# KiCad board SPCInterfaceBoard-v01.kicad_pcb (continued)
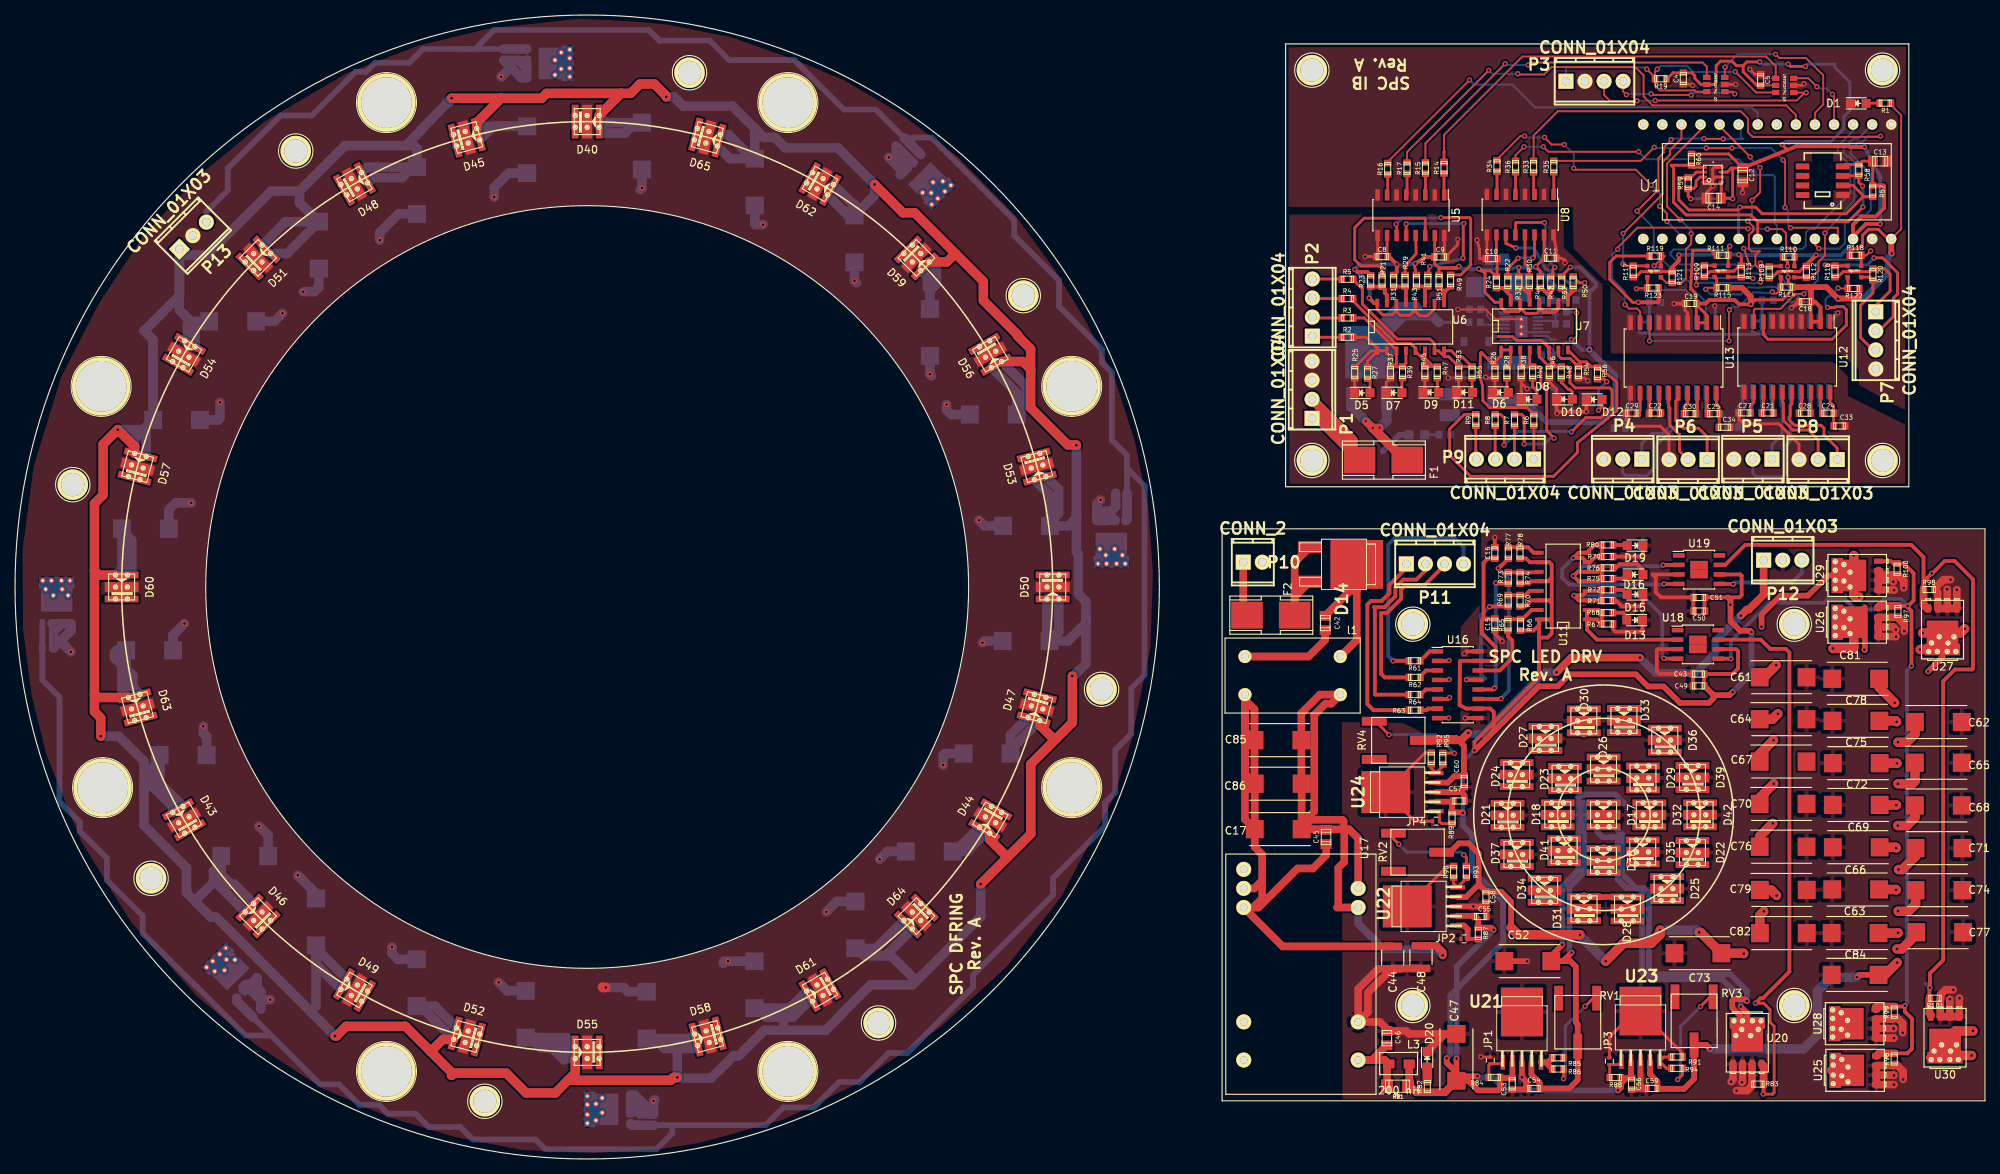
[diagram p0: board, top side]
## Footprints (pads in the part's own frame, mm; a bottom-side part is the same pattern mirrored in y, then rotated)
1pin
  round 4.064 hole 3.048: 1(0,0)
1pin#2
  round 4.064 hole 3.099: 1(0,0)
51105C
  round 1.75 hole 1: 1(-6.35,-2.54) 2(6.35,-2.54) 3(6.35,2.54) 4(-6.35,2.54)
BME280
  rect 0.7x0.35 smd: 1(1.125,0.975) 2(1.125,0.325) 3(1.125,-0.325) 4(1.125,-0.975) 5(-1.125,-0.975) 6(-1.125,-0.325) 7(-1.125,0.325) 8(-1.125,0.975)
BOURNS3361P
  rect 1.194x3.302 smd: 1(-2.54,-3.2) 2(0,3.2) 3(2.54,-3.2)
c_0603
  rect 0.899x1.001 smd: 1(0.752,0) 2(-0.752,0)
c_0805
  rect 1.3x1.499 smd: 1(0.953,0) 2(-0.953,0)
C_1210
  rect 1x2.5 smd: 1(-1.5,0) 2(1.5,0)
c_1210
  rect 1.6x2.692 smd: 1(1.397,0) 2(-1.397,0)
c_2220
  rect 1.849x5.499 smd: 1(2.576,0) 2(-2.576,0)
c_tant_X
  rect 2.55x2.7 smd: 1(3,0)
  rect 2.55x3.8 smd: 2(-3,0)
Cree_XP-L_HI-vias-4
  rect 0.9x4.5 smd: 1(-1.6,0) 2(1.6,0)
  round 0.737 hole 0.381: 1(-1.587,0.826) 1(-1.587,-0.762) 2(1.587,0.826) 2(1.587,-0.762) 3(0,0.826) 3(0,-0.762)
  rect 1.3x4.5 smd: 3(0,0)
d-pak
  rect 1.6x3.2 smd: 1(-2.301,-3.124) 3(2.301,-3.124)
  rect 6.5x7 smd: 2(0,3.124)
d-pak-5
  rect 0.597x1.999 smd: 1(-2.54,-3.099) 2(-1.27,-3.099) 3(0,-3.099) 4(1.27,-3.099) 5(2.54,-3.099)
  rect 5.598x6.5 smd: 6(0,3.599)
Fuse_SMD
  rect 3.556x4.191 smd: 1(0,3.175) 2(0,-3.175)
IHLP-1212BZ-11
  rect 1.5x1.2 smd: 1(-1.35,0) 2(1.35,0)
LED_0805
  rect 1.199x1.199 smd: 1(-1.049,0) 2(1.049,0)
mpt_0,5%2f2-2,54
  rect 1.999x1.999 hole 1.097: 1(1.27,0)
  oval 1.999x1.999 hole 1.097: 2(-1.27,0)
mpt_0,5%2f3-2,54
  rect 1.999x1.999 hole 1.097: 1(2.54,0)
  oval 1.999x1.999 hole 1.097: 2(0,0) 3(-2.54,0)
mpt_0,5%2f4-2,54
  rect 1.999x1.999 hole 1.097: 1(3.81,0)
  oval 1.999x1.999 hole 1.097: 2(1.27,0) 3(-1.27,0) 4(-3.81,0)
MSOP-16-1EP-VIA_3x4mm_Pitch0.5mm
  rect 1.4x0.3 smd: 1(-2.2,1.75) 2(-2.2,1.25) 3(-2.2,0.75) 4(-2.2,0.25) 5(-2.2,-0.25) 6(-2.2,-0.75) 7(-2.2,-1.25) 8(-2.2,-1.75) 9(2.2,-1.75) 10(2.2,-1.25) 11(2.2,-0.75) 12(2.2,-0.25) 13(2.2,0.25) 14(2.2,0.75) 15(2.2,1.25) 16(2.2,1.75)
  round 0.65 hole 0.25: 17(0,-1) 17(0,0) 17(0,1)
  rect 1.65x2.85 smd: 17(0,0)
NCS12
  round 2 hole 1: 1(-13.97,-7.62) 2(-11.43,-7.62) 3(-8.89,-7.62) 9(6.35,-7.62) 11(11.43,-7.62) 14(11.43,7.62) 16(6.35,7.62) 22(-8.89,7.62) 23(-11.43,7.62)
qtr-clearancehole
  round 7.76 hole 6.76: 1(0,0)
R_0402
  rect 0.4x0.6 smd: 1(-0.45,0) 2(0.45,0)
r_0603
  rect 0.899x1.001 smd: 1(0.752,0) 2(-0.752,0)
r_1206
  rect 1.6x1.803 smd: 1(1.397,0) 2(-1.397,0)
SC-74
  rect 0.701x1.001 smd: 1(-0.95,-1.199) 2(0,-1.199) 3(0.95,-1.199) 4(0.95,1.199) 5(0,1.199) 6(-0.95,1.199)
SHT1X
  rect 1.798x0.798 smd: 1(-2.667,1.905) 2(-2.667,0.635) 3(-2.667,-0.635) 4(-2.667,-1.905) 5(2.667,-1.905) 6(2.667,-0.635) 7(2.667,0.635) 8(2.667,1.905)
SO-16-N
  rect 0.508x1.143 smd: 1(-4.445,-3.175) 2(-3.175,-3.175) 3(-1.905,-3.175) 4(-0.635,-3.175) 5(0.635,-3.175) 6(1.905,-3.175) 7(3.175,-3.175) 8(4.445,-3.175) 9(4.445,3.175) 10(3.175,3.175) 11(1.905,3.175) 12(0.635,3.175) 13(-0.635,3.175) 14(-1.905,3.175) 15(-3.175,3.175) 16(-4.445,3.175)
SOD-123FL
  rect 0.914x1.219 smd: 1(-1.638,0) 2(1.638,0)
SOIC-8-1EP_3.9x4.9mm_Pitch1.27mm
  rect 1.55x0.6 smd: 1(-2.7,1.905) 2(-2.7,0.635) 3(-2.7,-0.635) 4(-2.7,-1.905) 5(2.7,-1.905) 6(2.7,-0.635) 7(2.7,0.635) 8(2.7,1.905)
  rect 1.175x1.175 smd: 9(-0.588,0.588) 9(-0.588,-0.588) 9(0.588,0.588) 9(0.588,-0.588)
SOIC-16_3.9x9.9mm_Pitch1.27mm
  rect 1.5x0.6 smd: 1(-2.7,4.445) 2(-2.7,3.175) 3(-2.7,1.905) 4(-2.7,0.635) 5(-2.7,-0.635) 6(-2.7,-1.905) 7(-2.7,-3.175) 8(-2.7,-4.445) 9(2.7,-4.445) 10(2.7,-3.175) 11(2.7,-1.905) 12(2.7,-0.635) 13(2.7,0.635) 14(2.7,1.905) 15(2.7,3.175) 16(2.7,4.445)
SOIC-20_7.5x12.8mm_Pitch1.27mm
  rect 1.95x0.6 smd: 1(-4.7,5.715) 2(-4.7,4.445) 3(-4.7,3.175) 4(-4.7,1.905) 5(-4.7,0.635) 6(-4.7,-0.635) 7(-4.7,-1.905) 8(-4.7,-3.175) 9(-4.7,-4.445) 10(-4.7,-5.715) 11(4.7,-5.715) 12(4.7,-4.445) 13(4.7,-3.175) 14(4.7,-1.905) 15(4.7,-0.635) 16(4.7,0.635) 17(4.7,1.905) 18(4.7,3.175) 19(4.7,4.445) 20(4.7,5.715)
SOT363
  rect 0.6x0.6 smd: 1(-0.9,0.75) 3(-0.9,-0.75) 4(0.9,-0.75) 6(0.9,0.75)
  rect 0.6x0.4 smd: 2(-0.9,0) 5(0.9,0)
SOT-669_LFPAK-vias
  rect 0.7x1.15 smd: 1(-1.905,-2.825) 2(-0.635,-2.825) 3(0.635,-2.825) 4(1.905,-2.825)
  round 0.737 hole 0.33: 5(-1.778,2.921)
  round 0.737 hole 0.381: 5(-1.524,0.953) 5(-0.737,1.778) 5(-0.635,2.921) 5(0.445,0.953) 5(0.699,2.921) 5(1.46,1.778) 5(1.841,2.921)
  rect 4.7x1.55 smd: 5(0,2.65)
  rect 4.2x3.3 smd: 5(0,0.45)
TantalC_SizeD_EIA-7343_Reflow
  rect 2.37x2.43 smd: 1(-3.12,0) 2(3.12,0)
Teensy-3.1
  round 1.397 hole 0.8: 0(0,0) 1(2.54,0) 2(5.08,0) 3(7.62,0) 4(10.16,0) 5(12.7,0) 6(15.24,0) 7(17.78,0) 8(20.32,0) 9(22.86,0) 10(25.4,0) 11(27.94,0) 12(30.48,0) 13(30.48,15.24) 14(27.94,15.24) 15(25.4,15.24) 16(22.86,15.24) 17(20.32,15.24) 18(17.78,15.24) 19(15.24,15.24) 20(12.7,15.24) 21(10.16,15.24) 22(7.62,15.24) 23(5.08,15.24) 24(2.54,15.24) 25(0,15.24) 26(-2.54,15.24) 27(-2.54,0)

## Nets
/Isolated Comms/+3.3V: C4.1 C5.1 C12.2 C13.2 C14.2 Q1.2 Q1.5 Q2.2 Q2.5 Q3.2 Q3.5 R19.2 R57.1 R58.1 R59.2 R60.2 R108.2 R109.2 R112.2 R113.2 R117.2 R121.2 U1.24 U2.5 U3.5 U9.2 U9.6 U9.8 U10.4
/Isolated Comms/+5V: C18.2 C19.2 C20.2 C36.2 R1.2 R110.2 R111.2 R114.2 R115.2 R118.2 R119.2 R122.2 R123.2 U1.26 U12.2 U12.3 U13.2 U13.3 U14.2 U14.3 U15.2 U15.3
/Isolated Comms/GND: C4.2 C5.2 C12.1 C13.1 C14.1 C18.1 C19.1 C20.1 C36.1 D1.1 P3.2 P7.4 U1.25 U1.27 U2.2 U3.2 U5.2 U5.4 U5.6 U5.8 U8.2 U8.4 U8.6 U8.8 U9.1 U9.5 U9.7 U10.1 U12.4 U12.5 U12.6 U12.7 U12.10 U13.4 U13.5 U13.6 U13.7 U13.10 U14.4 U14.5 U14.6 U14.7 U14.10 U15.4 U15.5 U15.6 U15.7 U15.10
/Isolated Comms/GNDiso: C1.2 C2.2 C3.2 C7.2 C8.2 C9.1 C10.2 C11.1 C27.2 C29.2 C31.2 C33.2 C34.2 C35.2 C39.2 C41.2 D4.1 D5.1 D6.1 D7.1 D8.1 D9.1 D10.1 D11.1 D12.1 P1.3 P1.4 P4.3 P5.3 P6.3 P8.3 R12.2 R13.2 R25.1 R26.1 R37.1 R38.1 R45.1 R46.1 R53.1 R54.1 U4.1 U4.7 U4.14 U4.17 U5.9 U5.16 U8.9 U8.16 U12.11 U13.11 U14.11 U15.11
/Isolated Outputs/+5Viso: C7.1 C8.1 C9.2 C10.1 C11.2 L1.2 R18.2 R20.2 R23.2 R24.2 R31.2 R32.2 R43.2 R44.2 R51.2 R52.2 U4.15 U5.10 U5.15 U6.10 U6.12 U6.14 U6.16 U7.10 U7.12 U7.14 U7.16 U8.10 U8.15
/LED-DC-DC/BF LED/+5Viso: C15.1 C16.2 C43.2 C47.1 C49.1 C50.2 C51.1 C53.2 C55.2 C56.2 C57.2 L3.2 R66.2 R70.2 R74.2 R78.2 R81.2 R82.2 R84.2 R87.2 R88.2 R89.2 U11.10 U11.12 U11.14 U11.16 U16.10 U16.15 U18.6 U19.6 U21.2 U22.2 U23.2 U24.2
/LED-DC-DC/BF LED/GNDiso: C15.2 C16.1 C43.1 C44.2 C46.2 C47.2 C48.2 C49.2 C50.1 C51.2 C52.2 C53.1 C54.1 C55.1 C56.1 C57.1 C58.1 C59.1 C60.1 C61.2 C62.2 C63.2 C64.2 C65.2 C66.2 C68.2 C69.2 C70.2 C71.2 C72.2 C73.2 C74.2 C75.2 C76.2 C77.2 C78.2 C79.2 C81.2 C82.2 C84.2 D13.1 D15.1 D16.1 D17.3 D18.3 D19.1 D20.1 D21.3 D22.3 D23.3 D24.3 D25.3 D26.3 D27.3 D28.3 D29.3 D30.3 D31.3 D32.3 D33.3 D34.3 D35.3 D36.3 D37.3 D38.3 D39.3 D41.3 D42.3 JP1.1 JP2.1 JP3.1 JP4.1 P12.2 R67.1 R71.1 R75.1 R79.1 R83.2 R85.1 R90.1 R91.1 R92.1 R96.2 R97.2 R98.2 R99.2 R100.2 R101.2 U16.9 U16.16 U17.16 U18.3 U19.3 U20.1 U20.2 U20.3 U21.3 U21.6 U22.3 U22.6 U23.3 U23.6 U24.3 U24.6 U25.1 U25.2 U25.3 U26.1 U26.2 U26.3 U27.1 U27.2 U27.3 U28.1 U28.2 U28.3 U29.1 U29.2 U29.3 U30.1 U30.2 U30.3
/LED-DC-DC/Df Ring/GNDiso: C80.2 C83.2 C87.2 C88.2 C89.2 C90.2 C91.2 C92.2 C93.2 C94.2 C95.2 C96.2 C97.2 C98.2 C99.2 C100.2 C101.2 C102.2 C103.2 C104.2 C105.2 C106.2 C107.2 C108.2 D40.3 D43.3 D44.3 D45.3 D46.3 D47.3 D48.3 D49.3 D50.3 D51.3 D52.3 D53.3 D54.3 D55.3 D56.3 D57.3 D58.3 D59.3 D60.3 D61.3 D62.3 D63.3 D64.3 D65.3 P13.2 R102.2 R103.2 R104.2 R105.2 R106.2 R107.2 U31.1 U31.2 U31.3 U32.1 U32.2 U32.3 U33.1 U33.2 U33.3 U34.1 U34.2 U34.3 U35.1 U35.2 U35.3 U36.1 U36.2 U36.3
/LED-DC-DC/GND: C42.1 l1.4 P10.2 U16.2 U16.4 U16.6 U16.8
/Isolated Comms/ODROID_1.8V: P7.1 Q4.2 Q4.5 R116.2 R120.2
/Isolated Comms/ODROID_RX: P7.3 Q4.1 R120.1
/Isolated Comms/ODROID_RX_5V: Q4.6 R122.1 U12.8
/Isolated Comms/ODROID_TX: P7.2 Q4.4 R116.1
/Isolated Comms/ODROID_TX_5V: Q4.3 R118.1 U12.9
/Isolated Comms/RX0: Q1.1 R112.1 U1.0
/Isolated Comms/RX0_5V: Q1.6 R114.1 U13.8
/Isolated Comms/RX1: Q3.1 R121.1 U1.9
/Isolated Comms/RX1_5V: Q3.6 R123.1 U14.8
/Isolated Comms/RX2: Q2.1 R113.1 U1.7
/Isolated Comms/RX2_5V: Q2.6 R115.1 U15.8
/Isolated Comms/RXin1: P8.2 U12.15
/Isolated Comms/RXin2: P6.2 U13.15
/Isolated Comms/RXin3: P4.2 U14.15
/Isolated Comms/RXin4: P5.2 U15.15
/Isolated Comms/TX0: Q1.4 R108.1 U1.1
/Isolated Comms/TX0_5V: Q1.3 R110.1 U13.9
/Isolated Comms/TX1: Q3.4 R117.1 U1.10
/Isolated Comms/TX1_5V: Q3.3 R119.1 U14.9
/Isolated Comms/TX2: Q2.4 R109.1 U1.8
/Isolated Comms/TX2_5V: Q2.3 R111.1 U15.9
/Isolated Comms/TXout1: P8.1 U12.16
/Isolated Comms/TXout2: P6.1 U13.16
/Isolated Comms/TXout3: P4.1 U14.16
/Isolated Comms/TXout4: P5.1 U15.16
/Isolated Outputs/CAM_ISO_TRIG: P3.1 R19.1 U2.6 U3.6
/Isolated Outputs/CAM_TRIG_1: P3.3 U3.1
/Isolated Outputs/CAM_TRIG_2: P3.4 U2.1
/Isolated Outputs/MCU_TRIG_1: U1.2 U3.3
/Isolated Outputs/MCU_TRIG_2: U1.3 U2.3
/Isolated Outputs/MCU_TRIG_3: R17.1 U1.4
/Isolated Outputs/MCU_TRIG_4: R16.1 U1.6
/Isolated Outputs/MCU_TRIG_5: R35.1 U1.23
/Isolated Outputs/MCU_TRIG_6: R33.1 U1.22
/Isolated Outputs/MCU_TRIG_7: R36.1 U1.20
/Isolated Outputs/MCU_TRIG_8: R34.1 U1.15
/Isolated Outputs/Out1: R2.1 R25.2 R27.2 U6.1 U6.2
/Isolated Outputs/Out2: R3.1 R37.2 R39.2 U6.3 U6.4
/Isolated Outputs/Out3: R4.1 R45.2 R47.2 U6.5 U6.6
/Isolated Outputs/Out4: R5.1 R53.2 R55.2 U6.7 U6.8
/Isolated Outputs/Out5: R6.1 R26.2 R28.2 U7.1 U7.2
/Isolated Outputs/Out6: R7.1 R38.2 R40.2 U7.3 U7.4
/Isolated Outputs/Out7: R8.1 R46.2 R48.2 U7.5 U7.6
/Isolated Outputs/Out8: R9.1 R54.2 R56.2 U7.7 U7.8
/Isolated Outputs/T1: R14.1 U3.4
/Isolated Outputs/T2: R15.1 U2.4
/Isolated Outputs/UnregIn: F1.1 P1.1 P1.2
/Isolated Outputs/Vo11: R21.1 U5.14
/Isolated Outputs/Vo12: R22.1 U8.14
/Isolated Outputs/Vo21: R29.1 U5.13
/Isolated Outputs/Vo22: R30.1 U8.13
/Isolated Outputs/Vo31: R41.1 U5.12
/Isolated Outputs/Vo32: R42.1 U8.12
/Isolated Outputs/Vo41: R49.1 U5.11
/Isolated Outputs/Vo42: R50.1 U8.11
/Isolated Outputs/Vunreg: C1.1 C2.1 D2.2 R11.2 U4.8
/LED-DC-DC/BF LED/Drv1: R83.1 U18.7 U20.4
/LED-DC-DC/BF LED/Vled: C52.1 C54.2 D17.2 RV1.2 U21.4
/LED-DC-DC/DF PFA LED/Drv2: R96.1 R97.1 R99.1 R100.1 U18.5 U25.4 U26.4 U28.4 U29.4
/LED-DC-DC/DF PFA LED/Drv3: R98.1 R101.1 U19.7 U27.4 U30.4
/LED-DC-DC/DF PFA LED/Drv4: P12.3 U19.5
/LED-DC-DC/DF PFA LED/Vled1: C58.2 C61.1 C64.1 C67.1 C70.1 C73.1 C76.1 C79.1 C82.1 D18.2 D23.2 D26.2 D29.2 D32.2 D35.2 D38.2 D41.2 RV2.2 U22.4
/LED-DC-DC/DF PFA LED/Vled2: C59.2 C62.1 C63.1 C65.1 C66.1 C68.1 C69.1 C71.1 C72.1 C74.1 C75.1 C77.1 C78.1 C81.1 C84.1 D21.2 D22.2 D24.2 D25.2 D27.2 D28.2 D30.2 D31.2 D33.2 D34.2 D36.2 D37.2 D39.2 D42.2 RV3.2 U23.4
/LED-DC-DC/DF PFA LED/Vled3: C60.2 P12.1 RV4.2 U24.4
/LED-DC-DC/Df Ring/Drv4: P13.3 R102.1 R103.1 R104.1 R105.1 R106.1 R107.1 U31.4 U32.4 U33.4 U34.4 U35.4 U36.4
/LED-DC-DC/Df Ring/Vled2: C80.1 C83.1 C87.1 C88.1 C89.1 C90.1 C91.1 C92.1 C93.1 C94.1 C95.1 C96.1 C97.1 C98.1 C99.1 C100.1 C101.1 C102.1 C103.1 C104.1 C105.1 C106.1 C107.1 C108.1 D40.2 D43.2 D44.2 D45.2 D46.2 D47.2 D48.2 D49.2 D50.2 D51.2 D52.2 D53.2 D54.2 D55.2 D56.2 D57.2 D58.2 D59.2 D60.2 D61.2 D62.2 D63.2 D64.2 D65.2 P13.1
/LED-DC-DC/Out1: R67.2 R68.2 U11.1 U11.2 U18.2
/LED-DC-DC/Out2: R71.2 R72.2 U11.3 U11.4 U18.4
/LED-DC-DC/Out3: R75.2 R76.2 U11.5 U11.6 U19.2
/LED-DC-DC/Out4: R79.2 R80.2 U11.7 U11.8 U19.4
/LED-DC-DC/T1: P11.4 R61.1
/LED-DC-DC/T2: P11.3 R62.1
/LED-DC-DC/T3: P11.2 R64.1
/LED-DC-DC/T4: P11.1 R63.1
/LED-DC-DC/Vo11: R65.1 U16.14
/LED-DC-DC/Vo21: R69.1 U16.13
/LED-DC-DC/Vo31: R73.1 U16.12
/LED-DC-DC/Vo41: R77.1 U16.11
/Sensors/SCL0: R58.2 R60.1 U1.19 U9.4 U10.3
/Sensors/SDA0: R57.2 R59.1 U1.18 U9.3 U10.2
Net-(C3-Pad1): C3.1 R10.1
Net-(C6-Pad1): C6.1 D3.1 L1.1 U4.4
Net-(C6-Pad2): C6.2 U4.16
Net-(C17-Pad1): C17.1 C45.2 C48.1 C85.1 C86.1 l1.2 U17.22 U17.23
Net-(C17-Pad2): C17.2 C44.1 C45.1 C85.2 C86.2 l1.1 U17.2 U17.3
Net-(C21-Pad1): C21.1 U12.14
Net-(C21-Pad2): C21.2 U12.13
Net-(C22-Pad1): C22.1 U13.14
Net-(C22-Pad2): C22.2 U13.13
Net-(C23-Pad1): C23.1 U14.14
Net-(C23-Pad2): C23.2 U14.13
Net-(C24-Pad1): C24.1 C33.1 U12.20
Net-(C24-Pad2): C24.2 U12.19
Net-(C25-Pad1): C25.1 C34.1 U13.20
Net-(C25-Pad2): C25.2 U13.19
Net-(C26-Pad1): C26.1 C35.1 U14.20
Net-(C26-Pad2): C26.2 U14.19
Net-(C27-Pad1): C27.1 U12.12
Net-(C28-Pad1): C28.1 U12.18
Net-(C28-Pad2): C28.2 U12.17
Net-(C29-Pad1): C29.1 U13.12
Net-(C30-Pad1): C30.1 U13.18
Net-(C30-Pad2): C30.2 U13.17
Net-(C31-Pad1): C31.1 U14.12
Net-(C32-Pad1): C32.1 U14.18
Net-(C32-Pad2): C32.2 U14.17
Net-(C37-Pad1): C37.1 U15.14
Net-(C37-Pad2): C37.2 U15.13
Net-(C38-Pad1): C38.1 C41.1 U15.20
Net-(C38-Pad2): C38.2 U15.19
Net-(C39-Pad1): C39.1 U15.12
Net-(C40-Pad1): C40.1 U15.18
Net-(C40-Pad2): C40.2 U15.17
Net-(C42-Pad2): C42.2 D14.2 l1.3
Net-(C46-Pad1): C46.1 L3.1 R81.1 U17.14
Net-(C67-Pad2): C67.2
Net-(D1-Pad2): D1.2 R1.1
Net-(D2-Pad1): D2.1 D2.3 F1.2
Net-(D3-Pad2): D3.2 U4.2
Net-(D4-Pad2): D4.2 R20.1
Net-(D5-Pad2): D5.2 R27.1
Net-(D6-Pad2): D6.2 R28.1
Net-(D7-Pad2): D7.2 R39.1
Net-(D8-Pad2): D8.2 R40.1
Net-(D9-Pad2): D9.2 R47.1
Net-(D10-Pad2): D10.2 R48.1
Net-(D11-Pad2): D11.2 R55.1
Net-(D12-Pad2): D12.2 R56.1
Net-(D13-Pad2): D13.2 R68.1
Net-(D14-Pad1): D14.1 D14.3 F2.2
Net-(D15-Pad2): D15.2 R72.1
Net-(D16-Pad2): D16.2 R76.1
Net-(D17-Pad1): D17.1 U20.5
Net-(D18-Pad1): D18.1 D23.1 D26.1 D29.1 D32.1 D35.1 D38.1 D41.1 U25.5 U28.5
Net-(D19-Pad2): D19.2 R80.1
Net-(D20-Pad2): D20.2 R82.1
Net-(D21-Pad1): D21.1 D22.1 D24.1 D25.1 D27.1 D28.1 D30.1 D31.1 D33.1 D34.1 D36.1 D37.1 D39.1 D42.1 U26.5 U27.5 U29.5 U30.5
Net-(D40-Pad1): D40.1 D43.1 D44.1 D45.1 D46.1 D47.1 D48.1 D49.1 D50.1 D51.1 D52.1 D53.1 D54.1 D55.1 D56.1 D57.1 D58.1 D59.1 D60.1 D61.1 D62.1 D63.1 D64.1 D65.1 U31.5 U32.5 U33.5 U34.5 U35.5 U36.5
Net-(F2-Pad1): F2.1 P10.1
Net-(JP1-Pad2): JP1.2 R84.1 U21.1
Net-(JP2-Pad2): JP2.2 R87.1 U22.1
Net-(JP3-Pad2): JP3.2 R88.1 U23.1
Net-(JP4-Pad2): JP4.2 R89.1 U24.1
Net-(P2-Pad1): P2.1 R2.2
Net-(P2-Pad2): P2.2 R3.2
Net-(P2-Pad3): P2.3 R4.2
Net-(P2-Pad4): P2.4 R5.2
Net-(P9-Pad1): P9.1 R6.2
Net-(P9-Pad2): P9.2 R7.2
Net-(P9-Pad3): P9.3 R8.2
Net-(P9-Pad4): P9.4 R9.2
Net-(R10-Pad2): R10.2 U4.9
Net-(R11-Pad1): R11.1 U4.5
Net-(R12-Pad1): R12.1 U4.6
Net-(R13-Pad1): R13.1 R18.1 U4.11
Net-(R14-Pad2): R14.2 U5.1
Net-(R15-Pad2): R15.2 U5.3
Net-(R16-Pad2): R16.2 U5.7
Net-(R17-Pad2): R17.2 U5.5
Net-(R21-Pad2): R21.2 R23.1 U6.15
Net-(R22-Pad2): R22.2 R24.1 U7.15
Net-(R29-Pad2): R29.2 R31.1 U6.13
Net-(R30-Pad2): R30.2 R32.1 U7.13
Net-(R33-Pad2): R33.2 U8.3
Net-(R34-Pad2): R34.2 U8.7
Net-(R35-Pad2): R35.2 U8.1
Net-(R36-Pad2): R36.2 U8.5
Net-(R41-Pad2): R41.2 R43.1 U6.11
Net-(R42-Pad2): R42.2 R44.1 U7.11
Net-(R49-Pad2): R49.2 R51.1 U6.9
Net-(R50-Pad2): R50.2 R52.1 U7.9
Net-(R61-Pad2): R61.2 U16.1
Net-(R62-Pad2): R62.2 U16.3
Net-(R63-Pad2): R63.2 U16.7
Net-(R64-Pad2): R64.2 U16.5
Net-(R65-Pad2): R65.2 R66.1 U11.15
Net-(R69-Pad2): R69.2 R70.1 U11.13
Net-(R73-Pad2): R73.2 R74.1 U11.11
Net-(R77-Pad2): R77.2 R78.1 U11.9
Net-(R85-Pad2): R85.2 R86.2 U21.5
Net-(R86-Pad1): R86.1 RV1.1
Net-(R90-Pad2): R90.2 R93.2 U22.5
Net-(R91-Pad2): R91.2 R94.2 U23.5
Net-(R92-Pad2): R92.2 R95.2 U24.5
Net-(R93-Pad1): R93.1 RV2.1
Net-(R94-Pad1): R94.1 RV3.1
Net-(R95-Pad1): R95.1 RV4.1
Net-(RV1-Pad3): RV1.3
Net-(RV2-Pad3): RV2.3
Net-(RV3-Pad3): RV3.3
Net-(RV4-Pad3): RV4.3
Net-(U1-Pad5): U1.5
Net-(U1-Pad11): U1.11
Net-(U1-Pad12): U1.12
Net-(U1-Pad13): U1.13
Net-(U1-Pad14): U1.14
Net-(U1-Pad16): U1.16
Net-(U1-Pad17): U1.17
Net-(U1-Pad21): U1.21
Net-(U4-Pad3): U4.3
Net-(U4-Pad10): U4.10
Net-(U4-Pad12): U4.12
Net-(U4-Pad13): U4.13
Net-(U12-Pad1): U12.1
Net-(U13-Pad1): U13.1
Net-(U14-Pad1): U14.1
Net-(U15-Pad1): U15.1
Net-(U17-Pad1): U17.1
Net-(U17-Pad9): U17.9
Net-(U17-Pad11): U17.11
Net-(U18-Pad1): U18.1
Net-(U18-Pad8): U18.8
Net-(U19-Pad1): U19.1
Net-(U19-Pad8): U19.8

Pads without a net: NOREF 1; NOREF#2 1; NOREF#3 1; NOREF#4 1; NOREF#5 1; NOREF#6 1; NOREF#7 1; NOREF#8 1; NOREF#9 1; NOREF#10 1; NOREF#11 1; NOREF#12 1; NOREF#13 1; NOREF#14 1; NOREF#15 1; NOREF#16 1; NOREF#17 1; NOREF#18 1; NOREF#19 1; NOREF#20 1; NOREF#21 1; NOREF#22 1; NOREF#23 1; NOREF#24 1; U10 5 6 7 8; U18 9; U19 9

## Via types
v1: diameter 0.711, hole 0.381, Top to Bottom, 306 vias
v2: diameter 0.635, hole 0.305, Top to Bottom, 3 vias

## Routing (per net, layer and track width the routed paths; a pad name or vN(x,y) marks a point on that pad's centre or on a via; arc(x,y) is an arc through that point)
/Isolated Comms/+3.3V: length 182.6
  Top w0.254: Q2.5 225.72,118.25 224.99,117.52 R109.2 ; 232.47,143 232.5,143.02 U3.5
  Top w0.381: 228.58,132.02 228.02,131.46 U9.6 ; 228.58,132.02 C12.2 ; 228.58,132.02 228.75,131.84 v1(228.75,127.93) 228.68,128 C14.2 227.23,128.06 U9.8 ; C12.2 230.1,132.26 ; C12.2 228.23,133.89 R60.2 ; U10.4 243.66,132.49 R58.1 246,132.93 C13.2 ; 247.26,132.75 C13.2 ; C13.2 247.41,132.91 R57.1 ; v1(223.18,127.92) 222.82,128.27 R59.2 223.52,129.25 223.89,129.62 223.89,130.29 224.41,130.81 U9.2 ; R108.2 233.95,117.36 234.79,118.2 Q1.5 Q1.2 237.62,118.2 238.36,118.94 R112.2 ; Q2.2 228.18,118.28 228.92,118.28 229.64,118.99 R113.2 229.89,120.17 v1(229.58,120.49) ; Q3.5 216.56,118.21 215.83,117.48 R117.2 ; Q3.2 219.21,118.22 R121.2 ; R109.2 225.02,117.52 225.75,118.25 Q2.5 ; 230.15,145.65 230.15,144.85 232,143 232.47,143 ; 230.15,145.65 230.65,146.15 v1(232.35,146.15) ; 230.15,145.65 229.25,145.65 228.65,146.25 227.15,146.25 226.55,145.65 226.55,143.45 226.24,143.14 U2.5 224.53,143.14 223.71,143.97 223.71,144.31 223.32,144.69 C4.1 220.83,144.69 220.04,143.9 R19.2 220.01,143.9 ; v1(236.15,145.85) 236.45,145.55 v1(238.45,145.55) ; v1(235.35,135.15) 236.07,134.43 236.03,134.43 235.95,134.35 235.95,134.38
  Top w0.508: v1(248.41,124.56) 246.5,124.56 244.79,122.86 U1.24 244.79,124.46 245.89,125.55 247.79,125.55 248.93,126.7 248.93,129.62 248.86,129.7 R57.1 ; v1(239.85,120.4) 238.58,119.13 R112.2 ; v1(221.59,120.41) 221.59,119.69 220.7,118.8 R121.2 ; C12.2 237.26,134.91 244.3,134.91 244.37,134.83 v1(246.31,134.81) ; Q3.2 Q3.5 ; Q2.2 Q2.5
  Bottom w0.381: v1(223.18,127.92) 223.19,127.93 v1(228.75,127.93) ; v1(232.35,146.15) 232.65,145.85 v1(236.15,145.85) ; v1(238.45,145.55) 238.75,145.85 242.35,145.85 242.35,145.45 244.35,143.45 244.35,139.65 243.55,138.85 243.55,137.25 241.85,135.55 235.75,135.55 v1(235.35,135.15)
  Bottom w0.508: v1(221.59,120.41) 221.59,120.46 v1(229.58,120.49) 229.64,120.43 233.63,120.4 v1(239.85,120.4) 243.16,120.4 244.79,122.03 U1.24 ; v1(246.31,134.81) 248.41,130.8 v1(248.41,124.56)
/Isolated Comms/+5V: length 155.7
  Top w0.254: U1.26 251.19,123.88 251.19,139.06 249.83,140.42 R1.2
  Top w0.381: C19.2 223.91,113.82 225.32,112.4 U13.2 U13.3 223.91,111.55 C19.2 ; C19.2 223.91,115.09 223.23,115.93 223.15,115.87 223.45,121.05 226,121.05 R111.2 ; 250.16,122.29 U1.26 249.43,122.57 248.15,123.85 246.85,123.85 246.05,123.05 246.05,121.85 245.45,121.25 244.68,121.25 244.37,120.93 R118.2 ; v1(231.16,113.86) 231.77,114.47 235.36,114.47 236.68,115.78 R114.2 ; v1(216.19,114.12) 215.44,114.12 212.39,117.17 212.39,119.44 213.24,120.29 R119.2 ; v1(236.15,117.45) 236.15,116.85 236.68,116.32 R114.2 ; v1(236.05,118.95) 236.05,119.55 235.48,120.12 R110.2 ; R114.2 236.65,116.15 ; U12.3 239.19,111.55 C18.2
  Top w0.508: C18.2 239.73,114.2 240.46,113.47 U12.2 U12.3 ; v1(231.16,113.86) 229.61,113.86 229.04,114.43 225.65,114.43 225.18,113.96 C19.2 ; v1(216.19,114.12) 218.79,114.12 218.89,114.22 R123.2
  Top w0.762: v1(249.95,120.63) 249.87,120.7 U1.26 ; R122.2 245.61,114.88 245.38,114.65 242.83,114.65 v1(242.79,114.61) 241.24,116.15 238.98,116.15 ; 238.98,116.15 239.19,115.94 C18.2 ; 238.98,116.15 R114.2 ; v1(231.16,113.86) 231.16,114.89 229.99,116.06 R115.2 228.13,116.01 ; 218.89,115.97 R123.2 ; 226.31,120.74 R111.2
  Bottom w0.381: 231.74,109.92 231.36,110.31 U15.2 U15.3 ; 231.74,109.92 233.13,109.92 232.63,110.42 U15.3 ; 231.74,109.92 231.68,109.86 217.74,109.86 217.55,110.04 ; 232.67,111.69 U15.3 ; 232.67,111.69 U15.3 ; 232.67,111.69 C36.2 ; 217.55,110.04 U14.3 ; 217.55,110.04 216.41,110.04 216.28,110.17 U14.2 U14.3 ; U14.3 217.66,111.62 C20.2 216.2,114.12 v1(216.19,114.12) ; v1(236.15,117.45) 236.05,117.55 v1(236.05,118.95)
  Bottom w0.508: v1(231.16,113.86) 231.68,114.38 C36.2
  Bottom w0.762: v1(249.95,120.63) 249.95,120.59 249.42,120.06 249.42,117.96 246.06,114.61 v1(242.79,114.61)
/Isolated Comms/GND: length 25.7
  Top w0.381: 208.8,142.73 208.8,143.6 ; v1(223.43,143.01) 223.25,143.19 C4.2 ; U13.4 222.78,112.7 222.4,113.08 C19.1 ; v1(226.11,129.59) 225.27,128.75 C14.1 ; v1(226.11,129.59) 225.54,130.16 U9.1 ; v1(226.11,129.59) 226.11,130.54 ; 226.11,130.54 226.38,130.81 U9.7 ; 226.11,130.54 226.11,131.9 226.32,132.11 U9.5 ; v1(230.07,128.73) 230.1,128.75 C12.1 ; v1(231.05,145.15) 231.69,144.51 C5.2 ; v1(238.25,143.25) 238.02,143.02 U3.2 ; v1(229.15,143.15) 229.14,143.14 U2.2
  Top w0.508: v1(220.95,113.95) 220.96,113.96 C19.1 ; C18.1 v1(236.58,113.4)
  Bottom w0.381: v1(226.37,113.66) 226.44,113.59 U14.10 ; v1(242.76,112.75) 242.51,112.32 241.84,111.65 U15.10
/Isolated Comms/GNDiso: length 110.1
  Top w0.254: U4.17 197.17,111.89 195.89,113.18 v1(192.16,113.18)
  Top w0.381: D5.1 178.42,102.11 R25.1 ; R37.1 182.61,103.45 D7.1 ; D9.1 187.76,102.38 R45.1 ; 192.34,102.12 192.27,102.19 R53.1 ; 196.62,102.12 197.1,102.6 R26.1 195.97,104.04 v1(195.85,104.16) ; v1(209.44,103.67) 209.08,104.04 R54.1 ; R46.1 204.34,103.52 205.3,102.56 D10.1 ; v1(201.39,102.61) 200.59,103.41 R38.1 200.59,102.28 200.59,102.28 D8.1 ; v1(205.37,99.3) 205.3,99.3 ; U8.16 205.29,121.05 205.26,120.03 205.92,120.01 206.42,119.75 v1(206.42,119.4) ; v1(192.14,122.51) 192.14,121.8 190.56,120.22 C9.1 190.35,120.38 U5.16 ; P6.3 220.28,96.47 219.13,97.62 215.46,97.62 214.59,98.49 C29.2 ; v1(179.83,120.22) 180.48,120.22 180.49,120.21 C8.2 181.46,120.35 U5.9 ; C27.2 229.62,98.51 230.2,97.93 234.88,97.93 237.6,95.22 P8.3 ; U8.9 196.02,120.08 C10.2 195.05,119.94 195.05,121.15 v1(194.71,122.41)
  Top w0.508: D12.1 209.26,99.57 v1(209.28,99.56) 205.56,99.56 205.3,99.3 D10.1
  Bottom w0.254: U4.1 199.86,109.14 U4.17 ; R12.2 v1(192.16,113.18) ; 204.47,110.14 U4.14 201.36,110.14 U4.17 199.36,112.14 U4.7
  Bottom w0.381: v1(195.85,104.16) 195.75,104.05 v1(190.87,104.05) ; v1(201.39,102.61) 201.52,102.73 204.58,102.73 205.37,101.95 v1(205.37,99.3) ; C35.2 212.96,97.3 ; U15.11 241.52,101.57
  Bottom w0.508: v1(209.28,99.56) 209.33,99.61
  Bottom w0.762: 182.15,94.25 184.38,96.48 D4.1
/Isolated Outputs/+5Viso: length 159.7
  Top w0.254: v1(207.28,109.18) 207.34,109.24 207.66,109.24 207.97,109.56 v1(207.97,112.73)
  Top w0.381: v1(186.5,119.3) 186.35,119.13 R43.2 ; v1(207.13,118.8) 205.99,117.66 R52.2 ; 195.76,118.33 195.19,118.33 v1(194.95,118.57) 195.14,118.57 195.76,117.95 ; 195.76,118.33 196.5,118.33 R24.2 197.38,117.64 C10.1 197.29,120.04 U8.10 ; 195.76,118.33 195.76,117.95 ; U6.16 181.43,113.17 182.12,112.47 183.39,112.47 183.97,113.05 U6.14 183.97,112.9 184.49,112.39 185.74,112.39 186.51,113.15 U6.12 186.51,112.9 187.08,112.34 188.13,112.34 189.05,113.25 U6.10 ; 195.76,117.95 195.76,115.43 197.07,114.13 U7.16 197.92,113.47 198.42,112.97 198.42,112.91 198.44,112.88 200.25,112.88 200.46,113.1 U7.14 200.46,113.38 201.19,112.65 202.67,112.65 203,112.98 U7.12 ; R32.2 v1(200.27,118.76) ; U5.15 189.08,120.2 C9.2 189.06,119.29 189.65,118.7 R51.2 ; C8.1 182.73,120.3 U5.10 ; R44.2 203.13,118.25 v1(202.51,118.88) 203.64,120.01 C11.2 203.64,120.13 U8.15
  Top w0.508: v1(192.28,118.91) 192.07,118.7 189.65,118.7 ; v1(186.5,119.3) 187,119.6 187.43,119.88 187.73,120.17 C9.2 ; C8.1 183,120.21 v1(184.02,119.19) 184.02,118.15 R31.2 ; v1(178.43,118.51) 178.76,118.18 180.08,118.18 R23.2 ; v1(180.33,114.7) 181.01,114.02 U6.16 ; U7.12 203,113.36 203.56,112.8 205.01,112.8 205.54,113.34 U7.10
  Top w0.762: v1(209.68,107.81) 209.67,107.81
  Bottom w0.254: 204.48,109.18 204.5,109.16 205.21,109.16 ; 204.48,109.18 204.61,109.05 ; 204.48,109.18 204.48,109.24 204.08,109.64 U4.15 ; v1(207.28,109.18) 206.92,108.82 206.6,108.82 206.51,108.73 ; R18.2 207.32,112.86 207.39,112.8 207.91,112.8 v1(207.97,112.73)
  Bottom w0.381: v1(194.95,118.57) 199.5,118.57 199.69,118.76 v1(200.27,118.76)
  Bottom w0.508: v1(207.28,109.18) 208.64,107.81 v1(209.68,107.81) 209.68,115.42 209.96,115.7 ; 209.96,115.7 205.72,115.7 202.55,118.88 v1(202.51,118.88) 202.39,118.76 v1(200.27,118.76) ; 209.96,115.7 210.53,116.27 210.53,116.68 208.41,118.8 v1(207.13,118.8) ; v1(192.28,118.91) 192.37,118.91 192.72,118.57 v1(194.95,118.57) ; v1(180.33,114.7) 180.44,114.8 180.44,116.5 v1(178.43,118.51) 179.11,119.19 v1(184.02,119.19) 184.23,118.98 v1(186.5,119.3)
  Bottom w0.762: v1(209.68,107.81) 209.68,107.74 211.41,106.01 211.52,106.01 213.13,104.41 213.13,99.95 211.33,98.16 203.98,98.16 201.23,100.92 L1.2
/LED-DC-DC/BF LED/+5Viso: length 308.6
  Top w0.508: 228.26,64.61 228.19,64.61 ; 228.19,64.61 224.95,64.61 224.95,63.05 C49.1 ; 228.19,64.61 228.74,64.61 229.47,65.34 229.47,67.67 229.22,67.92 U18.6 ; R66.2 202.23,70.41 203.01,71.18 U11.16 ; 202.96,69.46 202.96,64.18 194.36,55.58 v1(194.36,54.43) 196.94,57.01 196.94,59.53 196.47,60.01 U16.10 193.27,60.01 192.38,60.46 192.43,66.28 192.52,66.36 U16.15 196.89,66.36 197.19,66.66 197.19,68.2 195.35,70.04 195.35,71.76 195.58,71.98 ; 202.96,69.46 202.96,71.83 U11.16 ; 202.96,69.46 204.12,69.46 204.66,70 204.66,71.52 ; U11.16 204.3,71.88 204.66,71.52 ; 204.66,71.52 204.66,74.04 ; 204.66,77.46 204.16,76.96 U11.12 201.94,76.96 201.64,76.66 R74.2 ; 204.66,77.46 204.66,79.17 204.34,79.5 U11.10 201.75,79.5 201.25,80 R78.2 ; 204.66,77.46 204.66,74.04 ; 204.66,74.04 204.29,74.42 U11.14 201.9,74.42 201.09,73.61 R70.2 ; 195.58,71.98 C15.1 ; 195.58,71.98 195.58,79.44 196.12,79.98 C16.2 ; 225.01,73.03 225.01,74.82 225.01,74.82 229.66,74.82 229.95,75.11 229.95,77.69 229.77,77.88 U19.6
  Top w0.762: v1(192,13.38) 191.96,13.35 C47.1 ; v1(196.92,30.54) 196.65,30.8 R87.2 194.88,31.94 194.43,32.39 192.13,32.39 U22.2 ; v1(190.66,13.41) 190.66,12.82 191.96,11.52 C47.1 ; v1(192.84,46.09) 192.76,46.17 R89.2 191.38,47.55 191.53,47.7 191.43,47.6 U24.2 ; v1(194.77,11.02) 192.95,11.02 192.35,10.42 C47.1 ; R88.2 213.88,9.52 v1(213.49,9.14) 213.49,9.66 214.6,10.78 215.4,10.78 215.21,10.97 U23.2 ; 226.2,61.8 226.2,61.37 225.59,60.76 221.74,60.76 219.55,62.95 217.48,62.95 215.86,64.57 207.06,64.57 205.47,62.98 202.96,62.98 194.41,54.43 v1(194.36,54.43) ; 226.2,61.8 C49.1 ; 226.2,61.8 228.34,61.8 v1(228.75,62.21) ; v1(231.26,70.19) 231.09,70.36 229.78,70.36 228.46,71.67 v1(228.46,73.85) 228.46,74.48 228.13,74.82 ; C47.1 193.56,10.42 194.85,9.14 197.51,9.14 197.78,9.41 R84.2 197.87,10.78 199.42,10.78 U21.2
  Top w1.016: C47.1 190.43,8.89 R82.2 186.64,8.89 185.83,9.69 R81.2 185.67,9.85 L3.2
  Bottom w0.508: v1(194.36,54.43) 192.84,52.92 v1(192.84,46.09)
  Bottom w0.762: v1(196.92,30.54) 192,25.62 v1(192,13.38) ; v1(190.66,13.41) 191.16,13.92 191.16,21.81 198.19,28.84 198.19,34.34 194.04,38.49 194.04,43.21 192.84,44.41 v1(192.84,46.09) ; v1(194.77,11.02) 194.95,10.85 196.83,10.85 198.54,9.14 v1(213.49,9.14) ; v1(228.75,62.21) 231.26,64.71 v1(231.26,70.19) ; v1(228.46,73.85) 228.49,73.85
/LED-DC-DC/BF LED/GNDiso: length 246.2
  Top w0.381: v1(195.22,13.61) 195.24,13.58 JP1.1 ; U22.6 190.78,39.01 R90.1 ; R91.1 222.08,14.1 U23.6 215.79,19.7 212.34,16.25 JP3.1 ; JP4.1 186.42,45.01 U24.6 187.81,54.12 R92.1
  Top w0.508: v1(193.13,58.74) 193.13,58.74 U16.9 ; v1(193.03,67.34) 193.32,67.63 U16.16 ; D13.1 216.75,70.5 216.49,70.25 213.15,70.25 212.83,70.56 R67.1 ; D15.1 216.81,74.01 216.42,73.62 213.98,73.62 213.22,74.39 R71.1 ; D19.1 216.81,80.65 216.42,80.26 R79.1 ; D16.1 214.17,77.31 R75.1 ; v1(198.07,68.98) 197.08,69.97 C15.2 ; U18.3 218.82,67.92 218.66,67.75 218.66,64.99 219.03,64.61 223.45,64.61 223.47,64.6 C49.2 ; U19.3 218.1,77.88 218.51,77.47 218.51,75.52 219.21,74.82 223.51,74.82 223.51,74.82 223.51,73.03 ; C16.1 v1(197.08,82.81)
  Top w0.762: 201.45,9.28 201.57,9.4 ; 201.45,9.28 201.57,9.4 ; 201.45,9.28 199.42,9.28 ; 201.57,9.4 201.26,9.7 201.26,10.28 200.69,10.86 v1(200.69,10.87) U21.3 ; v1(201.39,26.34) 201.37,26.36 C52.2 ; 195.93,32.39 195.9,32.42 195.9,34.11 195.45,33.65 v1(194.23,33.65) U22.3 ; 192.97,49.5 192.33,48.87 192.24,48.87 ; 192.24,48.87 192.61,48.87 193.03,48.45 193.03,47.7 ; 192.24,48.87 U24.3 ; 215.4,9.28 217.16,9.28 217.23,9.35 217.1,9.28 216.48,9.9 U23.3
  Top w1.016: U17.16 181.76,18.26 182.67,17.36 182.67,17.05 185.28,17.05 185.67,16.66 C47.2 190.4,16.66 D20.1 ; U17.16 178.88,22.66 181.54,25.32 C44.2 ; U17.16 180.18,19.57 180.18,22.17 183.39,25.38 C48.2 ; v1(250.23,16.11) 250.22,16.12 U28.1 U28.3 250.13,18.66 R99.2 250.65,18.81 251.4,18.06 v1(251.4,16.82) ; v1(250.19,17.38) 250.18,17.39 U28.2 ; v1(250.23,11.13) 250.18,11.18 U25.2 ; v1(251.46,10.59) 251.46,11.67 250.56,12.57 R96.2 250.14,12.45 U25.3 U25.2 ; v1(258.97,21.43) 258.94,21.4 U30.1 U30.2 ; v1(257.7,21.27) 257.67,21.25 U30.2 ; v1(258.13,22.54) 257.11,22.54 256.46,21.89 R101.2 256.4,21.36 U30.3 U30.2 ; v1(250.48,69.59) 250.46,69.61 U26.1 U26.2 ; v1(251.61,70.31) 251.61,71.26 250.72,72.15 U26.3 U26.2 ; v1(251.54,76.08) 251.54,77.03 250.75,77.82 R100.2 248.63,77.82 248.17,78.28 U29.3 U29.2 ; v1(250.27,75.77) 250.21,75.83 U29.1 U29.2 ; v1(250.15,76.9) 249.96,77.1 U29.2 ; v1(257.32,75.88) 257.34,75.86 U27.2 ; v1(258.61,75.83) 258.61,75.83 U27.1 U27.2 ; v1(257.77,77.18) 256.85,77.18 255.68,76.01 R98.2 256.07,75.47 U27.3 U27.2 ; v1(229.99,10.21) 230.06,10.29 U20.2 ; v1(228.55,10.3) 228.79,10.55 U20.1 ; v1(229.28,9.11) 230.67,9.11 231.37,9.81 R83.2 231.33,10.01 U20.3 ; U25.2 U25.1 v1(250.23,9.91) ; v1(250.48,70.52) 250.13,70.88 U26.2
  Bottom w0.762: v1(194.23,33.65) 194.23,33.66 ; v1(200.69,10.87) 200.69,10.87
/LED-DC-DC/Df Ring/GNDiso: length 176.6
  Top w1.27: v1(78.67,22.84) 78.3,22.84 78.24,22.91
  Bottom w1.27: 117.03,132.78 117.35,133.1 R105.2 119.54,132.74 119.54,132.74 119.5,132.78 117.93,132.78 ; 117.03,132.78 v1(116.39,133.43) 117.79,132.03 U34.2 U34.1 117.93,132.78 ; 117.03,132.78 117.93,132.78 ; 32.73,21.23 R107.2 ; 32.73,21.23 v1(33.99,21.23) ; 32.73,21.23 30.74,23.22 30.74,23.23 ; 32.73,21.23 32.73,22.33 32.23,22.83 U36.1 U36.2 30.74,23.23 ; 94.36,26.06 94.36,26.25 94.45,26.35 v1(94.96,26.35) C92.2 ; C104.2 40.08,35.37 v1(37.66,37.8) ; 146.49,85.05 146.49,85.11 145.98,85.11 145.98,86.31 ; 145.98,86.31 144.5,86.31 144.1,85.91 ; 145.98,86.31 146.58,86.92 R103.2 ; C97.2 124.71,99.17 124.06,99.81 v1(124.06,100.51) ; 30.74,23.23 30.43,22.93 30.43,22.55 30.54,22.44 ; C108.2 65.71,131.33 63.81,129.43 v1(63.81,128.15) ; v1(128.39,85.08) 129.13,84.34 C100.2 ; C90.2 21.04,69.81 v1(22.56,71.33) ; C101.2 51.01,26.59 50.21,27.4 v1(50.21,28.23) ; U32.2 U32.1 144.1,85.91 ; v1(99.63,124.48) 98.6,124.48 98.52,124.56 C88.2 ; C103.2 129.08,69 v1(128.84,68.77) ; 85.21,7.9 v1(85.04,7.73) R106.2 ; 6.23,69.17 6.23,68.77 v1(7.43,67.57) ; 6.23,69.17 7.45,70.39 U33.1 U33.3 ; 6.23,69.17 R104.2 5.14,70.27 U33.2 ; 65.95,145.53 R102.2 67.08,146.36 U31.2 ; 65.95,145.53 67.44,144.04 U31.1 68.13,146.43 ; 65.95,145.53 65.95,145.35 64.78,144.18 v1(64.75,144.18) ; v1(108.06,32.93) 109.44,34.31 C89.2 ; 83.27,129.13 v1(83.51,129.37) C80.2 ; v1(23.47,87.41) 21.43,87.41 20.48,86.47 C93.2 ; v1(115.14,39.94) 116.18,40.97 C83.2 ; v1(25.09,57.64) 25.09,56.71 25.51,56.29 C87.2 ; 144.1,85.91 144.1,87.34 v1(144.57,87.81) ; R106.2 82.54,8.51 U35.1 U35.2 ; R106.2 83.27,6.01 82.39,6.89 82.39,7.24 U35.2 ; 122.06,104.34 v1(121.86,104.54) C94.2 ; C96.2 27.08,98.45 27.29,98.66 v1(27.29,100.78) ; C95.2 81.64,22.28 81.08,22.84 v1(78.67,22.84) ; C91.2 v1(111.8,117) 112.07,116.72 ; v1(35.62,112.65) 34.55,111.59 C99.2 ; C102.2 40.47,116.16 39.85,115.54 v1(38.39,115.54) ; C106.2 123.87,54.01 123.6,53.74 v1(123.6,52.49) ; v1(64.41,23.53) 65.54,22.4 C98.2 ; v1(48.56,122.4) 48.56,123.41 51.06,125.9 C105.2 ; U35.2 81.97,6.12 ; v1(32.5,44.35) 33.71,43.14 C107.2
